# Altium PCB Front_Board.PcbDoc
Units mm, origin at the board's own origin, x right, y up, seen from the top; angles counter-clockwise.
Board outline 150 x 62 mm, 2 copper layers (Top Layer, Bottom Layer), stack 1.579 mm thick; 47 components, 98 nets, 260 pads, 18 vias.
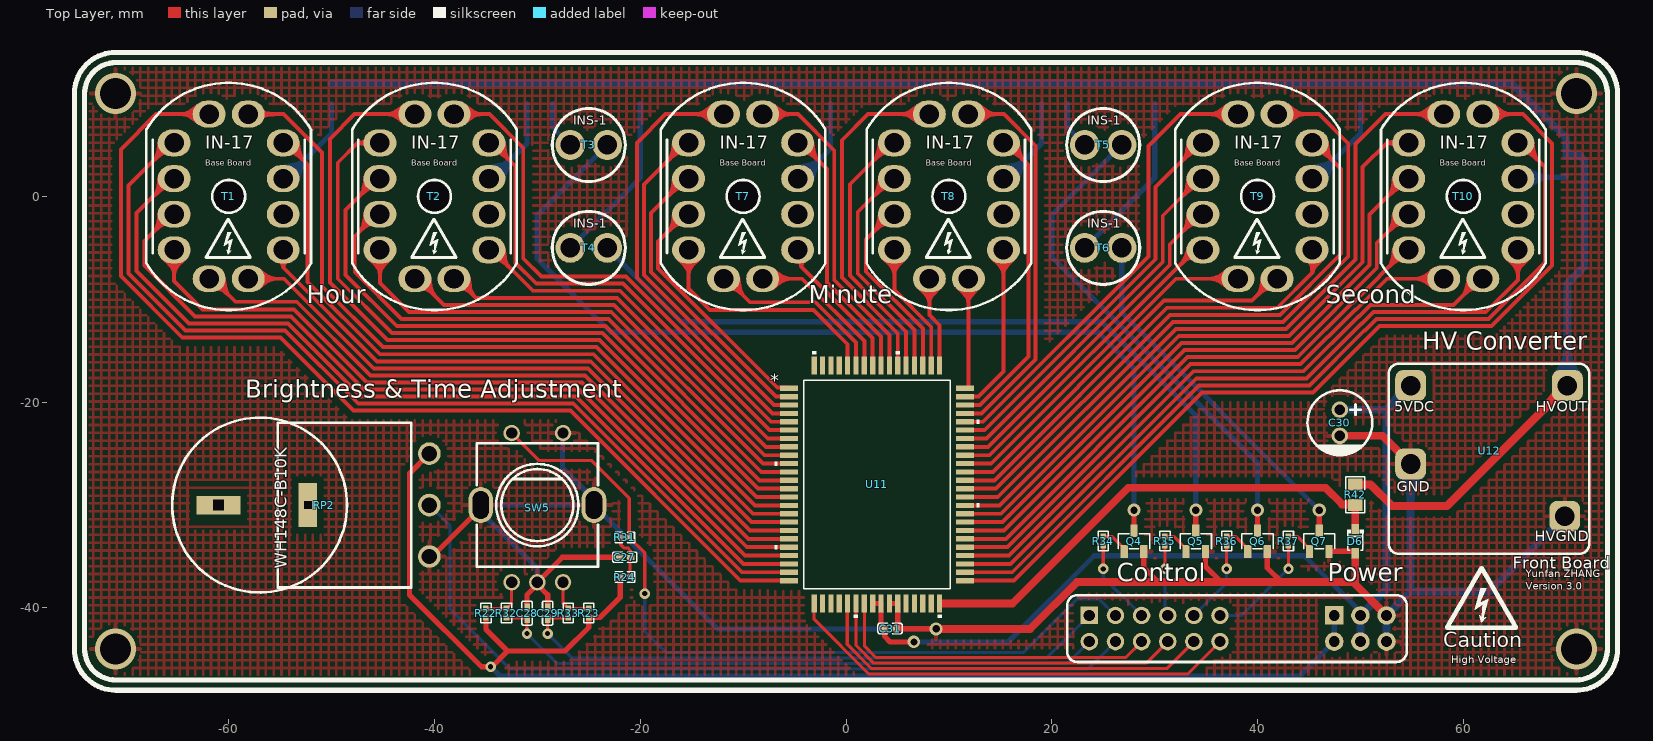
[diagram p0: Top Layer view]
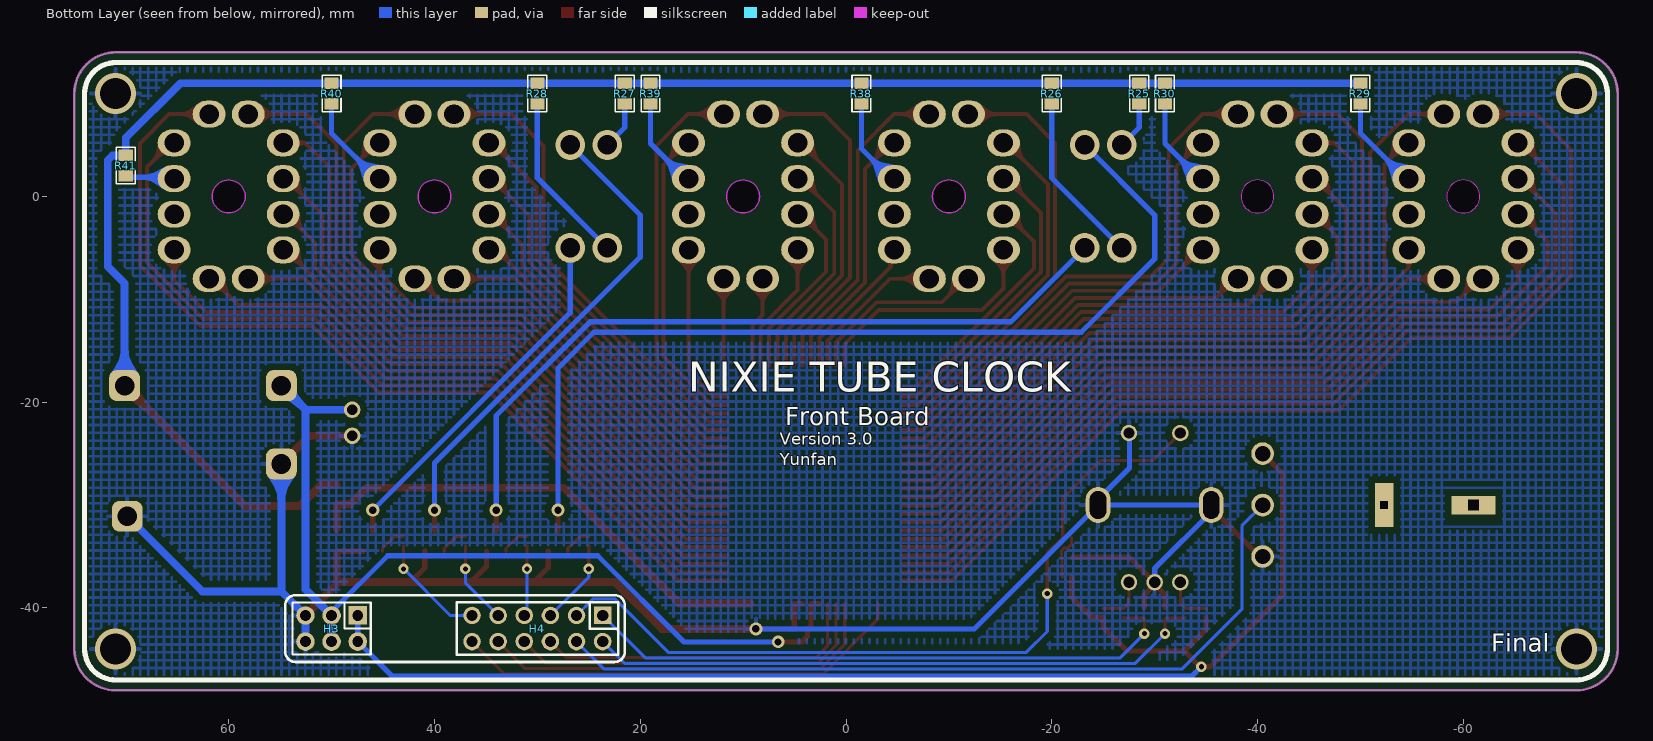
[diagram p1: Bottom Layer view, seen from below]

## Layer stack, top to bottom
Top Solder: solder mask 0.0102, Solder Resist, Dk 3.5
Top Layer: signal copper 0.0356
Dielectric 1: dielectric 1.5081, FR-4, Dk 4.8
Bottom Layer: signal copper 0.0356
Bottom Solder: solder mask 0.0102, Solder Resist, Dk 3.5

## Board outline
-75,-44 -75,10 cw(c-71,10) -71,14 71,14 cw(c71,10) 75,10 75,-44 cw(c71,-44) 71,-48 -71,-48 cw(c-71,-44)
cut-out: 58.4,0 ccw(c60,0) 60,-1.6 ccw(c60,0) 61.6,0 ccw(c60,0) 60,1.6 ccw(c60,0)
cut-out: 38.4,0 ccw(c40,0) 40,-1.6 ccw(c40,0) 41.6,0 ccw(c40,0) 40,1.6 ccw(c40,0)
cut-out: 8.4,0 ccw(c10,0) 10,-1.6 ccw(c10,0) 11.6,0 ccw(c10,0) 10,1.6 ccw(c10,0)
cut-out: -11.6,0 ccw(c-10,0) -10,-1.6 ccw(c-10,0) -8.4,0 ccw(c-10,0) -10,1.6 ccw(c-10,0)
cut-out: -40,-1.6 cw(c-40,0) -41.6,0 cw(c-40,0) -40,1.6 cw(c-40,0) -38.4,0 cw(c-40,0)
cut-out: -60,-1.6 cw(c-60,0) -61.6,0 cw(c-60,0) -60,1.6 cw(c-60,0) -58.4,0 cw(c-60,0)

## Design rules (kind name [scope] priority, off if disabled: settings)
Clearance Polygon [InPolygon] p1: gap=0.635 ignorepadtopadclearanceinfootprint=FALSE
Clearance [All] p2: gap=0.229 ignorepadtopadclearanceinfootprint=FALSE
Height [All] p1: minheight=0 maxheight=100 prefheight=12.7
PolygonConnect [All] p1: connectstyle=Relief reliefconductorwidth=0.381 reliefentries=4 polygonreliefangle="90 Angle" airgapwidth=0.381
RoutingVias [All] p1: holewidth=0.711 width=1.27 viastyle="Through Hole" minholewidth=0.711 minwidth=1.27 maxholewidth=0.711 maxwidth=1.27
SolderMaskExpansion [All] p1: expansion=0.102 istentingtop=FALSE
Width [All] p1: maxlimit=0.762 minlimit=0.254 preferedwidth=0.305 minimp=50.000000 maximp=50.000000 favimp=50.000000
29 further rules are at their usual default settings.

## Components (designator, comment, footprint, x,y, rotation, side; value= is the part's Value field where it differs from the comment)
C27 "100nF" C0402_NEW -21.5,-35.074 r0 top
C28 "100nF" C0402_NEW -31,-40.5 r270 top
C29 "100nF" C0402_NEW -29,-40.5 r270 top
C30 "220uF" CAP-TH_BD6.3-P2.50-D1.0-FD 48,-22 r270 top
C31 "100nF" C0402_NEW 4.281,-42 r180 top
D6 "MM3Z75" SOD-323_L1.8-W1.3-LS2.5-RD 49.5,-33.5 r270 top
H3 "Header-Male-2.54_2x3" HDR-TH_6P-P2.54-V-M-R2-C3-S2.54-1 50,-42 r0 bottom
H4 "210S-2*6P L=11.6MMGold-plated black" HDR-TH_12P-P2.54-V-M-R2-C6-S2.54 30,-42 r0 bottom
Q4 "MMBTA44_C699224" SOT-23-3_L2.9-W1.3-P1.90-LS2.4-BR 28,-33.5 r270 top
Q5 "MMBTA44_C699224" SOT-23-3_L2.9-W1.3-P1.90-LS2.4-BR 34,-33.5 r270 top
Q6 "MMBTA44_C699224" SOT-23-3_L2.9-W1.3-P1.90-LS2.4-BR 40,-33.5 r270 top
Q7 "MMBTA44_C699224" SOT-23-3_L2.9-W1.3-P1.90-LS2.4-BR 46,-33.5 r270 top
R22 "3.3K" R0402 -35,-40.5 r270 top
R23 "3.3K" R0402 -25,-40.5 r270 top
R24 "10K" R0402 -21.5,-37 r180 top
R25 "240K" R0805 -28.5,10 r90 bottom locked
R26 "240K" R0805 -20,10 r90 bottom locked
R27 "240K" R0805 21.5,10 r90 bottom locked
R28 "240K" R0805 30,10 r90 bottom locked
R29 "39K" R0805 -50,10 r270 bottom locked
R30 "39K" R0805 -31,10 r270 bottom locked
R31 "3.3K" R0402 -21.5,-33.147 r0 top
R32 "3.3K" R0402 -33,-40.5 r270 top
R33 "3.3K" R0402 -27,-40.5 r90 top
R34 "33K" R0402 25,-33.5 r90 top
R35 "33K" R0402 31,-33.5 r90 top
R36 "33K" R0402 37,-33.5 r90 top
R37 "33K" R0402 43,-33.5 r90 top
R38 "39K" R0805 -1.5,10 r270 bottom locked
R39 "39K" R0805 19,10 r270 bottom locked
R40 "39K" R0805 50,10 r270 bottom locked
R41 "39K" R0805 70,3 r270 bottom
R42 "240K" R0805 49.5,-29 r90 top
RP2 "10K" WH148-W-B10K -57,-30 r90 top
SW5 "EC11E09244C3" SW-TH_EC11E09244C3 -30,-30 r0 top
T1 "NixieTube_IN17" IN17 -60,0 r0 top locked
T2 "NixieTube_IN17" IN17 -40,0 r0 top locked
T3 "NixieTube_INS1" INS-1 -25,5 r0 top
T4 "NixieTube_INS1" INS-1 -25,-5 r0 top
T5 "NixieTube_INS1" INS-1 25,5 r0 top
T6 "NixieTube_INS1" INS-1 25,-5 r0 top
T7 "NixieTube_IN17" IN17 -10,0 r0 top locked
T8 "NixieTube_IN17" IN17 10,0 r0 top locked
T9 "NixieTube_IN17" IN17 40,0 r0 top locked
T10 "NixieTube_IN17" IN17 60,0 r0 top locked
U11 "HV57908PG-G" PQFP80_20X14MC_MCH 3,-28 r0 top
U12 "NCH8200HV" NCH8200HV 62.5,-25.5 r0 top

## Footprints (in the part's own frame and the unit in brackets; to place one, negate y for a bottom-side part, rotate by r counter-clockwise, add the part's x,y. Pads: shape width x height; smd on the part's side, far side on the other; paste and mask are expansions set on the pad)
C0402_NEW [mm]
  rect 0.79x0.54 smd: 1(-0.545,0) 2(0.545,0)
  silkscreen extent -1.17,-0.5 1.17,0.5, body extent -0.5,-0.25 0.5,0.25, height 0.5
CAP-TH_BD6.3-P2.50-D1.0-FD [mm]
  round 1.6 hole 1: 1(-1.27,0) 2(1.27,0)
  silkscreen extent -3.15,-3.15 3.17,3.15, body extent -3.16,-3.15 3.16,3.15, height 11.11
HDR-TH_6P-P2.54-V-M-R2-C3-S2.54-1 [mm]
  rect 1.8x1.8 hole 1.05: 1(-2.54,-1.27)
  round 1.8 hole 1.05: 2(-2.54,1.27) 3(0,-1.27) 4(0,1.27) 5(2.54,-1.27) 6(2.54,1.27)
  silkscreen extent -3.81,-2.54 3.81,2.54, body extent -3.81,-2.54 3.81,2.54, height 8.5
HDR-TH_12P-P2.54-V-M-R2-C6-S2.54 [mm]
  rect 1.7x1.7 hole 1.1: 1(-6.35,-1.27)
  round 1.7 hole 1.1: 2(-6.35,1.27) 3(-3.81,-1.27) 4(-3.81,1.27) 5(-1.27,-1.27) 6(-1.27,1.27) 7(1.27,-1.27) 8(1.27,1.27) 9(3.81,-1.27) 10(3.81,1.27) 11(6.35,-1.27) 12(6.35,1.27)
  silkscreen extent -7.85,-2.54 7.85,2.54, body extent -7.62,-2.54 7.62,2.54, height 8.5
IN17 [mm]
  oval 3.2x2.6 hole 1.9: 1(5.3,1.733) 2(5.3,5.2) 3(1.9,8) 4(-1.9,8) 5(-5.3,5.2) 6(-5.3,1.733) 7(-5.3,-1.733) 8(-5.3,-5.2) 9(-1.9,-8) 10(1.9,-8) 11(5.3,-5.2) 12(5.3,-1.733)
  Keep-Out Layer region: 0,-1.6 -0.612,-1.478 -1.131,-1.131 -1.478,-0.612 -1.6,0 -1.6,0 -1.478,0.612 -1.131,1.131 -0.612,1.478 0,1.6 0,1.6 0.612,1.478 1.131,1.131 1.478,0.612 1.6,0 1.6,0 1.478,-0.612 1.131,-1.131 0.612,-1.478 0,-1.6
  silkscreen extent -8,-11.05 8,11.05
INS-1 [mm]
  round 2.9 hole 1.9: 1(-1.8,0) 2(1.8,0)
  silkscreen extent -3.55,-3.55 3.55,3.55
NCH8200HV [mm]
  rrect50% 3x3 hole 1.9: 1(-7.62,7.112) 2(-7.62,-0.508) 3(7.62,7.112) 4(7.366,-5.588)
  silkscreen extent -9.75,-9.25 9.75,9.25
PQFP80_20X14MC_MCH [mil]
  rect 68.56x19.97 smd paste+0 mask+0: 1(-337,368) 2(-337,336) 3(-337,304) 4(-337,272) 5(-337,240) 6(-337,208) 7(-337,176) 8(-337,144) 9(-337,112) 10(-337,80) 11(-337,48) 12(-337,16) 13(-337,-16) 14(-337,-48) 15(-337,-80) 16(-337,-112) 17(-337,-144) 18(-337,-176) 19(-337,-208) 20(-337,-240) 21(-337,-272) 22(-337,-304) 23(-337,-336) 24(-337,-368) 41(337,-368) 42(337,-336) 43(337,-304) 44(337,-272) 45(337,-240) 46(337,-208) 47(337,-176) 48(337,-144) 49(337,-112) 50(337,-80) 51(337,-48) 52(337,-16) 53(337,16) 54(337,48) 55(337,80) 56(337,112) 57(337,144) 58(337,176) 59(337,208) 60(337,240) 61(337,272) 62(337,304) 63(337,336) 64(337,368)
  rect 19.97x68.56 smd paste+0 mask+0: 25(-240,-455) 26(-208,-455) 27(-176,-455) 28(-144,-455) 29(-112,-455) 30(-80,-455) 31(-48,-455) 32(-16,-455) 33(16,-455) 34(48,-455) 35(80,-455) 36(112,-455) 37(144,-455) 38(176,-455) 39(208,-455) 40(240,-455) 65(240,455) 66(208,455) 67(176,455) 68(144,455) 69(112,455) 70(80,455) 71(48,455) 72(16,455) 73(-16,455) 74(-48,455) 75(-80,455) 76(-112,455) 77(-144,455) 78(-176,455) 79(-208,455) 80(-240,455)
  silkscreen extent -391,-509 391,509, body extent -358,-476 358,476, height 134
R0402 [mm]
  rect 0.566x0.54 smd: 1(-0.433,0) 2(0.433,0)
  silkscreen extent -0.94,-0.5 0.94,0.5, body extent -0.5,-0.25 0.5,0.25, height 0.5
R0805 [mm]
  rect 1.133x1.377 smd: 1(-1,0) 2(1,0)
  silkscreen extent -1.76,-0.92 1.76,0.92, body extent -1,-0.65 1,0.65, height 0.61
SOD-323_L1.8-W1.3-LS2.5-RD [mm]
  rect 1x0.75 smd: 1(-1.173,0) 2(1.173,0)
  silkscreen extent -1.08,-0.8 0.9,0.8, body extent -1.23,-0.65 1.28,0.65, height 1.2
SOT-23-3_L2.9-W1.3-P1.90-LS2.4-BR [mm]
  rect 1.25x0.7 smd: 1(1,-0.95) 2(1,0.95) 3(-1,0)
  silkscreen extent -0.73,-1.53 0.73,1.53, body extent -1.25,-1.45 1.25,1.45, height 1.05
SW-TH_EC11E09244C3 [mm]
  oval 2.4x3.5 hole 1.6 slot 2.7 at 90 deg: 6(-5.5,-0.004) 7(5.5,-0.004)
  round 1.6 hole 1.1: A(-2.5,-7.504) B(2.5,-7.504) C(0,-7.504) D(-2.5,6.996) E(2.5,6.996)
  silkscreen extent -5.9,-6 5.9,6, body extent -6.42,-7.45 6.42,7.45, height 19.49
WH148-W-B10K [mm]
  round 2.2 hole 1.5: 1(5,-16.5) 2(0,-16.5) 3(-5,-16.5)
  rect 1.8x4.3 hole 1 square: ""(0,4)
  rect 4.3x1.8 hole 0.762 square: ""(0,-4.7)
  silkscreen extent -8.5,-14.75 8.5,8.5, body extent -8.48,-16.65 8.42,8.5, height 26.5

## Part data
C27 C28 C29 C31: BOM_JLCPCB Part Class="Basic Part", BOM_Manufacturer=SAMSUNG(三星), BOM_Manufacturer Part=CL05B104KO5NNNC, BOM_Supplier=LCSC, BOM_Supplier Part=C1525, nameAlias=Capacitance, spicePre=C, spiceSymbolName=CL05B104KO5NNNC
C30: BOM_JLCPCB Part Class="Extended Part", BOM_Manufacturer=CX(承兴), BOM_Manufacturer Part=EF227M010E05RR0VH4FP0, BOM_Supplier=LCSC, BOM_Supplier Part=C43330, nameAlias=Capacitance, spicePre=C, spiceSymbolName="220uF 10Vblack gold 6.3*5"
D6: BOM_JLCPCB Part Class="Extended Part", BOM_Manufacturer=ST(先科), BOM_Manufacturer Part=MM3Z75, BOM_Supplier=LCSC, BOM_Supplier Part=C118626, Contributor=LCSC, spicePre=D, spiceSymbolName=MM3Z75
H3: BOM_JLCPCB Part Class="Extended Part", BOM_Manufacturer=BOOMELE(博穆精密), BOM_Manufacturer Part=2.54-2*3P针, BOM_Supplier=LCSC, BOM_Supplier Part=C65114, spicePre=J, spiceSymbolName=Header-Male-2.54_2x3
H4: library part Header-Male-2.54_2x6, BOM_JLCPCB Part Class="Extended Part", BOM_Manufacturer=Ckmtw(灿科盟), BOM_Manufacturer Part=B-2100S12P-B110, BOM_Supplier=LCSC, BOM_Supplier Part=C124388, Contributor=LCSC, spicePre=H, spiceSymbolName="210S-2*6P L=11.6MMGold-plated black"
Q4 Q5 Q6 Q7: BOM_JLCPCB Part Class="Extended Part", BOM_Manufacturer=YANGJIE(扬杰), BOM_Manufacturer Part=MMBTA44, BOM_Supplier=LCSC, BOM_Supplier Part=C699224, Contributor=LCSC, spicePre=Q, spiceSymbolName=MMBTA44_C699224
R22 R23 R31 R32 R33: BOM_JLCPCB Part Class="Extended Part", BOM_Manufacturer=YAGEO(国巨), BOM_Manufacturer Part=RC0402FR-073K3L, Resistance=3.3kΩ, BOM_Supplier=LCSC, BOM_Supplier Part=C137992, nameAlias="Resistance (Ohms)", spicePre=R, spiceSymbolName=RC0402FR-073K3L
R24: BOM_JLCPCB Part Class="Extended Part", BOM_Manufacturer=YAGEO(国巨), BOM_Manufacturer Part=RC0402FR-0710KL, Resistance=10kΩ, BOM_Supplier=LCSC, BOM_Supplier Part=C60490, nameAlias="Resistance (Ohms)", spicePre=R, spiceSymbolName=RC0402FR-0710KL
R25 R26 R27 R28 R42: BOM_JLCPCB Part Class="Extended Part", BOM_Manufacturer=YAGEO(国巨), BOM_Manufacturer Part=RC0805FR-07240KL, Resistance=240kΩ, BOM_Supplier=LCSC, BOM_Supplier Part=C137564, nameAlias="Resistance (Ohms)", spicePre=R, spiceSymbolName=RC0805FR-07240KL
R29 R30 R38 R39 R40 R41: BOM_JLCPCB Part Class="Extended Part", BOM_Manufacturer=YAGEO(国巨), BOM_Manufacturer Part=RC0805FR-0720KL, Resistance=20kΩ, BOM_Supplier=LCSC, BOM_Supplier Part=C114566, nameAlias="Resistance (Ohms)", spicePre=R, spiceSymbolName=RC0805FR-0720KL
R34 R35 R36 R37: BOM_JLCPCB Part Class="Extended Part", BOM_Manufacturer=YAGEO(国巨), BOM_Manufacturer Part=RC0402FR-0733KL, Resistance=33kΩ, BOM_Supplier=LCSC, BOM_Supplier Part=C138003, nameAlias="Resistance (Ohms)", spicePre=R, spiceSymbolName=RC0402FR-0733KL
RP2: library part RP-WH148, BOM名称=插件电位器, 学习资源=www.ooocke.com, 版权归属=源创客
SW5: BOM_JLCPCB Part Class="Extended Part", BOM_Manufacturer=ALPSALPINE(阿尔卑斯阿尔派), BOM_Manufacturer Part=EC11E09244C3, BOM_Supplier=LCSC, BOM_Supplier Part=C2687283, Contributor=LCSC, spicePre=S, spiceSymbolName=EC11E09244C3
U11: Mfr_Name=Microchip, Copyright="Copyright (C) 2022 Ultra Librarian. All rights reserved.", Manufacturer_Part_Number=HV57908PG-G, RefDes=RefDes, Type=DEV

## Via types
v1: diameter 1, hole 0.5, Top Layer to Bottom Layer, 7 vias
v2: diameter 1.27, hole 0.711, Top Layer to Bottom Layer, 5 vias
v3: diameter 4, hole 3, Top Layer to Bottom Layer, 4 vias
v4: diameter 1.016, hole 0.508, Top Layer to Bottom Layer, 1 vias
v5: diameter 1.219, hole 0.66, Top Layer to Bottom Layer, 1 vias

## Nets (pads, with @x,y where several pads share a name; then routed paths per layer and width w, separated by ;. In a path a pad name is that pad's centre, name@x,y a point inside that pad or via, vN(x,y) a via of type N, cw(c..) or ccw(c..) an arc to the next point about the centre after c; other vN are vias at no path point)
+3.3VF: H3.1 H3.2 R22.2 R23.2 R24.2 RP2.1 | length 133.7
  Top Layer w0.508: RP2.1 -42.418,-26.918 -42.418,-38.735 -35.433,-45.72 -34.417,-45.72 -32.893,-44.196 ; R22.2@-35,-40.92 R22.2 -35,-42.089 -32.893,-44.196 ; R24.2 -21.933,-38.951 -23.915,-40.933 R23.2 -25,-41.891 -27.305,-44.196 -32.893,-44.196
  Bottom Layer w0.508: v4(-34.544,-45.72) -34.526,-45.72 -33.637,-46.609 44.121,-46.609 H3.2 H3.1
+5VF: C30.1 C31.2 H3.3 H3.4 U11.32 U11.33 U12.1 | length 88.5
  Top Layer w0.503: U11.32@2.591,-39.555 U11.32 U11.33 3.406,-41.796 3.611,-42 C31.2 ; C31.2@3.861,-42 C31.2 ; v5(6.604,-43.307) 4.285,-43.307 3.736,-42.758 C31.2
  Top Layer w0.762: H3.3 H3.3@50,-40.644
  Bottom Layer w0.503: v5(6.604,-43.307) 15.748,-43.307 24.13,-34.925 44.546,-34.925 50,-40.379 H3.3
  Bottom Layer w0.762: C30.1 52.538,-20.73 ; H3.4 H3.3 52.538,-38.192 52.538,-20.73 ; U12.1 52.538,-20.73
BLF: H4.6 U11.31 | length 32.2
  Top Layer w0.305: U11.31 1.781,-43.691 2.921,-44.831 27.169,-44.831 H4.6
BrightnessF: H4.4 RP2.2 | length 79.1
  Bottom Layer w0.305: RP2.2 -38.481,-32.019 -38.481,-40.133 -32.69,-45.924 23.536,-45.924 H4.4
CLKF: H4.8 U11.30 | length 36
  Top Layer w0.305: U11.30 0.968,-43.633 2.7,-45.365 29.175,-45.365 H4.8
D1F: H4.5 R34.1 | length 8.3
  Top Layer w0.305: v1(25,-36.2) R34.1
  Bottom Layer w0.305: v1(25,-36.2) 25,-37 H4.5
D2F: H4.7 R35.1 | length 7.1
  Top Layer w0.305: v1(31,-36.2) R35.1 ; H4.7@31.118,-40.578 H4.7
  Bottom Layer w0.305: v1(31,-36.2) 31,-39.854 31.003,-39.857 31.003,-40.463 H4.7
D3F: H4.9 R36.1 | length 8.1
  Top Layer w0.305: v1(37,-36.2) R36.1
  Bottom Layer w0.305: H4.9 37,-37.54 v1(37,-36.2)
D4F: H4.11 R37.1 | length 10.8
  Top Layer w0.305: v1(43,-36.2) R37.1
  Bottom Layer w0.305: H4.11 38.47,-40.73 v1(43,-36.2)
DINF: H4.12 U11.25 | length 44.5
  Top Layer w0.305: U11.25 -3.096,-41.1 2.236,-46.432 33.188,-46.432 H4.12
EncoderAF: C28.2 H4.2 R32.2 | length 60.2
  Top Layer w0.305: R32.2 -32.944,-40.989 -31.056,-40.989 C28.2 v1(-31,-42.5)
  Bottom Layer w0.305: v1(-31,-42.5) -28.11,-45.39 21.53,-45.39 H4.2
EncoderBF: C29.2 H4.1 R33.1 | length 58.8
  Top Layer w0.305: v1(-29,-42.5) C29.2 -28.944,-40.989 -27.056,-40.989 R33.1
  Bottom Layer w0.305: v1(-29,-42.5) -26.643,-44.857 19.523,-44.857 H4.1
GNDF: C27.1 C28.1 C29.1 C30.2 C31.1 D6.2 H3.5 H3.6 Q4.2 Q5.2 Q6.2 Q7.2 RP2.3 SW5.6 SW5.7 SW5.C SW5.E U11.34 U11.35 U12.2 U12.4 | length 204.2
  Top Layer w0.508: RP2.3 -40.223,-35 -35.5,-30.277 SW5.6 ; C28.1 -31,-38.713 SW5.C@-30,-37.713 ; C29.1 -29,-38.713 SW5.C@-30,-37.713 ; C27.1 -27.57,-35.074 SW5.C SW5.C@-30,-37.713 ; U11.34 U11.35 5.032,-41.919 4.967,-41.984 4.842,-41.984 C31.1 4.842,-42.016 8.742,-42.016 v2(8.763,-42.037) ; Q4.2 28.95,-36.089 30.353,-37.492 ; Q5.2 34.95,-35.966 36.476,-37.492 ; Q6.2 40.95,-36.124 42.318,-37.492 42.418,-37.492 ; Q7.2 49.379,-34.5 49.5,-34.621 D6.2
  Top Layer w0.762: v2(8.763,-42.037) 17.907,-42.037 22.452,-37.492 30.353,-37.492 36.476,-37.492 42.318,-37.492 ; 42.418,-37.492 49.5,-37.492 D6.2 ; C30.2 52.142,-23.27 U12.2 ; 49.401,-37.591 H3.5
  Bottom Layer w0.508: RP2.3 RP2.3@-40.223,-35 ; SW5.C -30,-36.167 -35.5,-30.667 SW5.6 SW5.7 ; SW5.E -27.559,-23.063 -27.559,-26.395 -24.5,-29.454 SW5.7 ; v2(8.763,-42.037) -12.467,-42.037 -23.588,-30.916 -23.626,-30.916 -24.5,-30.042 SW5.7
  Bottom Layer w0.762: H3.6 H3.5 54.88,-38.39 ; U12.2 54.88,-38.39 ; U12.4 62.564,-38.39 54.88,-38.39
  other v3: -71,-44 71,-44 -71,10 71,10
H1N0: T1.2 U11.16 | length 70.8
  Top Layer w0.381: T1.2 -54.4,5.2 -52.324,3.124 -52.324,-8.301 -45.284,-15.342 -24.524,-15.342 -9.021,-30.845 U11.16
H1N1: T1.3 U11.15 | length 75.9
  Top Layer w0.381: T1.3 -54.661,8 -50.927,4.266 -50.927,-8.728 -44.999,-14.656 -24.24,-14.656 -8.864,-30.032 U11.15
H1N2: T1.4 U11.24 | length 99.5
  Top Layer w0.381: T1.4 -67.057,8 -70.485,4.572 -70.485,-7.747 -64.516,-13.716 -54.966,-13.716 -47.854,-20.828 -26.797,-20.828 -10.278,-37.347 U11.24
H1N3: T1.5 U11.23 | length 90.9
  Top Layer w0.381: T1.5 -65.6,5.2 -69.723,1.077 -69.723,-7.493 -64.186,-13.03 -54.522,-13.03 -47.41,-20.142 -26.513,-20.142 -10.121,-36.534 U11.23
H1N4: T1.6 U11.22 | length 85.9
  Top Layer w0.381: T1.6 -65.6,1.733 -68.961,-1.628 -68.961,-7.239 -63.856,-12.344 -54.238,-12.344 -47.126,-19.456 -26.229,-19.456 -9.964,-35.722 U11.22
H1N5: T1.7 U11.21 | length 80.7
  Top Layer w0.381: T1.7 -65.6,-1.733 -68.199,-4.332 -68.199,-6.731 -63.271,-11.659 -53.954,-11.659 -46.842,-18.771 -25.945,-18.771 -9.807,-34.909 U11.21
H1N6: T1.8 U11.20 | length 73.5
  Top Layer w0.381: T1.8 -65.3,-8.233 -62.56,-10.973 -53.67,-10.973 -46.558,-18.085 -25.661,-18.085 -9.65,-34.096 U11.20
H1N7: T1.9 U11.19 | length 66.8
  Top Layer w0.381: T1.9 -61.6,-8 -59.359,-10.241 -53.386,-10.241 -46.228,-17.399 -25.377,-17.399 -9.492,-33.283 U11.19
H1N8: T1.10 U11.18 | length 62.7
  Top Layer w0.381: T1.10 -54.611,-8 -45.898,-16.713 -25.093,-16.713 -9.335,-32.47 U11.18
H1N9: T1.11 U11.17 | length 61.1
  Top Layer w0.381: T1.11 -54.7,-6.895 -45.568,-16.027 -24.809,-16.027 -9.178,-31.658 U11.17
H2N0: T2.2 U11.6 | length 46.2
  Top Layer w0.381: T2.2 -34.4,5.2 -32.131,2.931 -32.131,-6.462 -30.109,-8.484 -21.684,-8.484 -7.451,-22.717 U11.6
H2N1: T2.3 U11.5 | length 51.2
  Top Layer w0.381: T2.3 -34.661,8 -31.369,4.708 -31.369,-6.02 -29.591,-7.798 -21.4,-7.798 -7.294,-21.904 U11.5
H2N2: T2.4 U11.14 | length 76.5
  Top Layer w0.381: T2.4 -47.753,8 -50.165,5.588 -50.165,-8.382 -44.577,-13.97 -23.956,-13.97 -8.707,-29.219 U11.14
H2N3: T2.5 U11.13 | length 68.5
  Top Layer w0.381: T2.5 -47.472,5.2 -49.403,3.268 -49.403,-8.001 -44.12,-13.284 -23.672,-13.284 -8.55,-28.406 U11.13
H2N4: T2.6 U11.12 | length 62.3
  Top Layer w0.381: T2.6 -45.6,1.733 -48.641,-1.308 -48.641,-7.62 -43.663,-12.598 -23.388,-12.598 -8.393,-27.594 U11.12
H2N5: T2.7 U11.11 | length 57.1
  Top Layer w0.381: T2.7 -45.6,-1.733 -47.752,-3.885 -47.752,-7.366 -43.205,-11.913 -23.104,-11.913 -8.236,-26.781 U11.11
H2N6: T2.8 U11.10 | length 50.2
  Top Layer w0.381: T2.8 -45.3,-8.421 -42.494,-11.227 -22.82,-11.227 -8.079,-25.968 U11.10
H2N7: T2.9 U11.9 | length 43.4
  Top Layer w0.381: T2.9 -41.6,-8 -39.059,-10.541 -22.536,-10.541 -7.922,-25.155 U11.9
H2N8: T2.10 U11.8 | length 39.3
  Top Layer w0.381: T2.10 -37.8,-8 -35.945,-9.855 -22.252,-9.855 -7.765,-24.342 U11.8
H2N9: T2.11 U11.7 | length 36.7
  Top Layer w0.381: T2.11 -34.4,-5.2 -30.431,-9.169 -21.968,-9.169 -7.608,-23.53 U11.7
HV: R25.2 R26.2 R27.2 R28.2 R29.1 R30.1 R38.1 R39.1 R40.1 R41.1 R42.2 U12.3 | length 174.8
  Top Layer w0.762: R42.2 50.987,-28 53.086,-30.099 58.409,-30.099 U12.3
  Bottom Layer w0.508: U12.3@70.62,-19.38 U12.3@70.62,-19.311
  Bottom Layer w0.762: R29.1 R30.1 R25.2 R26.2 R38.1 R39.1 R27.2 R28.2 R40.1 64.692,11 70,5.692 R41.1 70.039,3.961 71.309,3.961 71.755,3.515 71.755,-6.805 70.12,-8.44 U12.3
LEF: H4.10 U11.29 | length 39.7
  Top Layer w0.305: U11.29 0.127,-39.585 0.127,-43.546 2.479,-45.898 31.182,-45.898 H4.10
M1N0: T7.2 U11.72 | length 25.2
  Top Layer w0.381: T7.2 -4.4,5.2 -1.854,2.654 -1.854,-8.363 3.406,-13.624 U11.72
M1N1: T7.3 U11.71 | length 31.6
  Top Layer w0.381: T7.3 -4.661,8 -1.143,4.482 -1.143,-8.105 4.219,-13.467 U11.71
M1N2: T7.4 U11.4 | length 42.9
  Top Layer w0.381: T7.4 -17.527,8 -20.32,5.207 -20.32,-7.908 -7.136,-21.091 U11.4
M1N3: T7.5 U11.3 | length 34.1
  Top Layer w0.381: T7.5 -15.6,5.2 -19.634,1.166 -19.634,-7.624 -6.979,-20.278 U11.3
M1N4: T7.6 U11.2 | length 29.2
  Top Layer w0.381: T7.6 -15.6,1.733 -18.948,-1.615 -18.948,-7.34 -6.822,-19.466 U11.2
M1N5: T7.7 U11.1 | length 24.2
  Top Layer w0.381: T7.7 -15.6,-1.733 -18.263,-4.396 -18.263,-7.01 -6.683,-18.59 -5.623,-18.59 U11.1
M1N6: T7.8 U11.76 | length 23.5
  Top Layer w0.381: T7.8 -15.3,-8.957 -13.208,-11.049 -3.164,-11.049 0.155,-14.368 U11.76
M1N7: T7.9 U11.75 | length 17.7
  Top Layer w0.381: T7.9 -11.6,-8 -9.313,-10.287 -2.956,-10.287 0.968,-14.211 U11.75
M1N8: T7.10 U11.74 | length 14.8
  Top Layer w0.381: T7.10 -4.273,-8 1.781,-14.054 U11.74
M1N9: T7.11 U11.73 | length 14.3
  Top Layer w0.381: T7.11 -4.339,-5.561 -4.339,-6.848 2.594,-13.781 U11.73
M2N0: T8.2 U11.62 | length 30.1
  Top Layer w0.381: U11.62 13.018,-20.278 17.729,-15.568 17.729,3.071 15.6,5.2 T8.2
M2N1: T8.3 U11.61 | length 37.6
  Top Layer w0.381: U11.61 13.175,-21.091 18.415,-15.852 18.415,4.924 15.339,8 T8.3
M2N2: T8.4 U11.70 | length 33.7
  Top Layer w0.381: U11.70 5.032,-13.31 -0.381,-7.897 -0.381,5.461 2.158,8 T8.4
M2N3: T8.5 U11.69 | length 25.9
  Top Layer w0.381: T8.5 4.4,5.2 0.381,1.181 0.381,-7.689 2.442,-9.75 5.845,-13.153 U11.69
M2N4: T8.6 U11.68 | length 22.1
  Top Layer w0.381: T8.6 4.4,1.733 1.143,-1.524 1.143,-7.481 6.658,-12.996 U11.68
M2N5: T8.7 U11.67 | length 18.3
  Top Layer w0.381: T8.7 4.4,-1.733 1.951,-4.182 1.951,-7.32 7.47,-12.839 U11.67
M2N6: T8.8 U11.66 | length 12.7
  Top Layer w0.381: T8.8 4.7,-9.098 8.283,-12.682 U11.66
M2N7: T8.9 U11.65 | length 8.9
  Top Layer w0.381: T8.9 8.1,-11.528 9.096,-12.524 U11.65
M2N8: T8.10 U11.64 | length 11
  Top Layer w0.381: U11.64 11.837,-18.653 11.9,-18.59 T8.10
M2N9: T8.11 U11.63 | length 16.6
  Top Layer w0.381: U11.63 12.861,-19.466 15.3,-17.027 T8.11
NetC27_2: C27.2 R24.1 R31.1 | length 4.5
  Top Layer w0.305: R31.1 -21.933,-33.82 -21.59,-34.163 -21.209,-34.163 -20.955,-34.417 C27.2 -21.011,-35.13 -21.011,-36.944 R24.1
NetD6_1: D6.1 R42.1 U11.40 | length 47.9
  Top Layer w0.762: U11.40@9.271,-39.557 16.196,-39.557 27.432,-28.321 46.609,-28.321 48.22,-29.932 49.432,-29.932 R42.1 D6.1
NetQ4_1: Q4.1 R34.2 | length 2.8
  Top Layer w0.305: R34.2 25.892,-33.067 27.05,-34.225 Q4.1
NetQ4_3: Q4.3 T3.2 | length 92.1
  Top Layer w0.508: Q4.3 v2(28,-30.5)
  Bottom Layer w0.508: T3.2 -30,-1.8 -30,-6.068 -22.86,-13.208 24.511,-13.208 28,-16.697 v2(28,-30.5)
NetQ5_1: Q5.1 R35.2 | length 2.8
  Top Layer w0.305: R35.2 31.892,-33.067 33.05,-34.225 Q5.1
NetQ5_3: Q5.3 T4.2 | length 75.2
  Top Layer w0.508: Q5.3 v2(34,-30.5)
  Bottom Layer w0.508: T4.2 -16.008,-12.192 24.892,-12.192 34,-21.3 v2(34,-30.5)
NetQ6_1: Q6.1 R36.2 | length 2.8
  Top Layer w0.305: R36.2 37.892,-33.067 39.05,-34.225 Q6.1
NetQ6_3: Q6.3 T5.2 | length 48.6
  Top Layer w0.508: Q6.3 v2(40,-30.5)
  Bottom Layer w0.508: T5.2 20,-1.8 20,-5.903 40.005,-25.908 40.005,-30.495 v2(40,-30.5)
NetQ7_1: Q7.1 R37.2 | length 2.8
  Top Layer w0.305: R37.2 43.892,-33.067 45.05,-34.225 Q7.1
NetQ7_3: Q7.3 T6.2 | length 35.5
  Top Layer w0.508: Q7.3 v2(46,-30.5)
  Bottom Layer w0.508: T6.2 26.8,-11.3 v2(46,-30.5)
NetR22_1: R22.1 R32.1 SW5.A | length 4.8
  Top Layer w0.305: R22.1 R32.1 -33,-40.054 -32.512,-39.566 -32.512,-37.516 SW5.A
NetR23_1: R23.1 R33.2 SW5.B | length 4.8
  Top Layer w0.305: SW5.B -27.5,-39.554 -27,-40.054 R33.2 R23.1
NetR25_1: R25.1 T3.1 | length 4.7
  Bottom Layer w0.508: R25.1 -28.5,6.7 T3.1
NetR26_1: R26.1 T4.1 | length 16.8
  Bottom Layer w0.508: T4.1 -20,1.8 R26.1
NetR27_1: R27.1 T5.1 | length 4.7
  Bottom Layer w0.508: R27.1 21.5,6.7 T5.1
NetR28_1: R28.1 T6.1 | length 16.8
  Bottom Layer w0.508: T6.1 30,1.8 R28.1
NetR29_2: R29.2 T1.1 | length 9.4
  Bottom Layer w0.508: T1.1 -54.4,1.733 -50,6.133 R29.2
NetR30_2: R30.2 T2.1 | length 9
  Bottom Layer w0.508: T2.1 -34.4,1.733 -31,5.133 R30.2
NetR38_2: R38.2 T7.1 | length 8.8
  Bottom Layer w0.508: T7.1 -4.4,1.733 -1.5,4.633 R38.2
NetR39_2: R39.2 T8.1 | length 9
  Bottom Layer w0.508: T8.1 15.6,1.733 19,5.133 R39.2
NetR40_2: R40.2 T9.1 | length 9.4
  Bottom Layer w0.508: T9.1 45.6,1.733 50,6.133 R40.2
NetR41_2: R41.2 T10.1 | length 4.8
  Bottom Layer w0.508: T10.1 65.433,1.867 69.867,1.867 R41.2
S1N0: T9.2 U11.52 | length 58.2
  Top Layer w0.381: U11.52 14.589,-28.406 31.489,-11.506 42.203,-11.506 48.133,-5.576 48.133,2.667 45.6,5.2 T9.2
S1N1: T9.3 U11.51 | length 66
  Top Layer w0.381: U11.51 14.746,-29.219 31.773,-12.192 42.487,-12.192 48.819,-5.86 48.819,5.156 45.975,8 T9.3
S1N2: T9.4 U11.60 | length 45.2
  Top Layer w0.381: U11.60 13.333,-21.904 29.413,-5.823 29.413,4.902 32.511,8 T9.4
S1N3: T9.5 U11.59 | length 38.8
  Top Layer w0.381: U11.59 13.49,-22.717 30.099,-6.107 30.099,0.899 34.4,5.2 T9.5
S1N4: T9.6 U11.58 | length 36.2
  Top Layer w0.381: U11.58 13.647,-23.53 30.785,-6.391 30.785,-1.882 34.4,1.733 T9.6
S1N5: T9.7 U11.57 | length 33.7
  Top Layer w0.381: U11.57 13.804,-24.342 31.471,-6.676 31.471,-4.663 34.4,-1.733 T9.7
S1N6: T9.8 U11.56 | length 31.4
  Top Layer w0.381: U11.56 13.961,-25.155 33.916,-5.2 T9.8
S1N7: T9.9 U11.55 | length 34
  Top Layer w0.381: U11.55 14.118,-25.968 32.086,-8 T9.9
S1N8: T9.10 U11.54 | length 38.1
  Top Layer w0.381: U11.54 14.275,-26.781 30.921,-10.135 39.465,-10.135 41.6,-8 T9.10
S1N9: T9.11 U11.53 | length 44.4
  Top Layer w0.381: U11.53 14.432,-27.594 31.205,-10.82 41.919,-10.82 45.339,-7.4 45.339,-5.239 T9.11
S2N0: T10.2 U11.42 | length 81.8
  Top Layer w0.381: U11.42 16.16,-36.534 34.33,-18.364 45.043,-18.364 50.373,-13.035 50.445,-13.035 51.567,-11.913 62.463,-11.913 67.945,-6.431 67.945,2.855 65.6,5.2 T10.2
S2N1: T10.3 U11.41 | length 89.5
  Top Layer w0.381: U11.41 16.317,-37.347 34.614,-19.05 45.399,-19.05 51.851,-12.598 62.747,-12.598 68.631,-6.715 68.631,5.156 65.787,8 T10.3
S2N2: T10.4 U11.50 | length 68.9
  Top Layer w0.381: U11.50 14.903,-30.032 32.057,-12.878 42.771,-12.878 49.53,-6.119 49.53,5.08 52.45,8 T10.4
S2N3: T10.5 U11.49 | length 63.5
  Top Layer w0.381: U11.49 15.06,-30.845 32.341,-13.564 43.055,-13.564 50.216,-6.403 50.216,2.845 52.571,5.2 T10.5
S2N4: T10.6 U11.48 | length 59.9
  Top Layer w0.381: U11.48 15.217,-31.658 32.626,-14.249 43.339,-14.249 50.902,-6.687 50.902,-1.765 54.4,1.733 T10.6
S2N5: T10.7 U11.47 | length 57.3
  Top Layer w0.381: U11.47 15.374,-32.47 32.91,-14.935 43.623,-14.935 51.587,-6.971 51.587,-4.546 54.4,-1.733 T10.7
S2N6: T10.8 U11.46 | length 54.8
  Top Layer w0.381: U11.46 15.531,-33.283 33.194,-15.621 43.907,-15.621 49.236,-10.292 49.308,-10.292 54.4,-5.2 T10.8
S2N7: T10.9 U11.45 | length 57.3
  Top Layer w0.381: U11.45 15.689,-34.096 33.478,-16.307 44.191,-16.307 49.521,-10.977 49.593,-10.977 52.57,-8 T10.9
S2N8: T10.10 U11.44 | length 61.5
  Top Layer w0.381: U11.44 15.846,-34.909 33.762,-16.993 44.475,-16.993 49.805,-11.663 49.877,-11.663 50.999,-10.541 59.059,-10.541 61.6,-8 T10.10
S2N9: T10.11 U11.43 | length 68.1
  Top Layer w0.381: U11.43 16.003,-35.722 34.046,-17.678 44.759,-17.678 50.089,-12.349 50.161,-12.349 51.283,-11.227 62.179,-11.227 65.3,-8.106 T10.11
SWF: H4.3 R31.2 SW5.D | length 77.3
  Top Layer w0.305: SW5.D -29.85,-25.654 -24.765,-25.654 -21.067,-29.352 R31.2 -21.054,-33.147 -19.558,-34.643 v1(-19.558,-38.608)
  Bottom Layer w0.305: v1(-19.558,-38.608) -19.558,-42.291 -17.526,-44.323 17.272,-44.323 22.479,-39.116 24.576,-39.116 H4.3
  Bottom Layer w0.508: SW5.D@-32.5,-23.245 SW5.D
pads on no net: RP2. T1.12 T2.12 T7.12 T8.12 T9.12 T10.12 U11.26 U11.27 U11.28 U11.36 U11.37 U11.38 U11.39 U11.77 U11.78 U11.79 U11.80

## Polygon pours and split planes (outlines as drawn)
GNDF on Bottom Layer "GND_Bottom" (hatched 90Degree grid 0.762 track 0.254, remove dead copper, pour order 1): -73.5,-44 -73.5,10 cw(c-71,10) -71,12.5 71,12.5 cw(c71,10) 73.5,10 73.5,-44 cw(c71,-44) 71,-46.5 -71,-46.5 cw(c-71,-44)
GNDF on Top Layer "GND_Top" (hatched 90Degree grid 0.762 track 0.254, remove dead copper, pour order 0): -73.5,-44 -73.5,10 cw(c-71,10) -71,12.5 71,12.5 cw(c71,10) 73.5,10 73.5,-44 cw(c71,-44) 71,-46.5 -71,-46.5 cw(c-71,-44)

## Keep-outs
Keep-Out Layer:
  the board outline again, w0.254

## Silkscreen, mask and mechanical layers (free items; w line width, h text height)
Top Overlay:
  drawing of 32 lines, arcs and shapes, not listed
  text "Hour" at -52.429,-10.972 h3
  text "Minute" at -3.606,-10.972 h3
  text "Second" at 46.624,-10.972 h3
  text "HV Converter" at 56.007,-15.466 h3
  text "Brightness & Time Adjustment" at -58.384,-20.135 h3
  text "Front Board" at 64.8,-36.557 h2
  text "Control" at 26.327,-37.972 h3
  text "Power" at 46.817,-37.972 h3
  text "Yunfan ZHANG / Version 3.0" at 66.088,-38.481 h1.2
  text "Caution" at 58.073,-44.302 h2.5
  text "High Voltage" at 58.84,-45.622 h1.2
Bottom Overlay:
  lines w0.254: 21.5,-44.25 ccw(c22.5,-44.25) 22.5,-45.25 53.5,-45.25 ccw(c53.5,-44.25) 54.5,-44.25 54.5,-39.75 ccw(c53.5,-39.75) 53.5,-38.75 22.5,-38.75 ccw(c22.5,-39.75) 21.5,-39.75 21.5,-44.25
  lines w0.5: -74,-44 ccw(c-71,-44) -71,-47 71,-47 ccw(c71,-44) 74,-44 74,10 ccw(c71,10) 71,13 -71,13 ccw(c-71,10) -74,10 -74,-44
  text "NIXIE TUBE CLOCK" at 15.353,-19.954 h5
  text "Front Board" at 5.916,-22.819 h3
  text "Version 3.0 / Yunfan" at 6.432,-26.53 h2
  text "Final" at -62.728,-44.822 h3
Mechanical 1:
  circle w0.254: c71,10 r1.5
  circle w0.254: c71,-44 r1.5
  circle w0.254: c-71,-44 r1.5
  circle w0.254: c-71,10 r1.5
  pour cut-out: 69.5,10 ccw(c71,10) 71,8.5 ccw(c71,10) 72.5,10 ccw(c71,10) 71,11.5 ccw(c71,10)
  pour cut-out: 69.5,-44 ccw(c71,-44) 71,-45.5 ccw(c71,-44) 72.5,-44 ccw(c71,-44) 71,-42.5 ccw(c71,-44)
  pour cut-out: -71,-45.5 cw(c-71,-44) -72.5,-44 cw(c-71,-44) -71,-42.5 cw(c-71,-44) -69.5,-44 cw(c-71,-44)
  pour cut-out: -71,8.5 cw(c-71,10) -72.5,10 cw(c-71,10) -71,11.5 cw(c-71,10) -69.5,10 cw(c-71,10)
  lines w0.254: -75,-44 ccw(c-71,-44) -71,-48 71,-48 ccw(c71,-44) 75,-44 75,10 ccw(c71,10) 71,14 -71,14 ccw(c-71,10) -75,10 -75,-44
Mechanical 5:
  circle w0.254: c71,10 r3.2
  circle w0.254: c71,-44 r3.2
  circle w0.254: c-71,-44 r3.2
  circle w0.254: c-71,10 r3.2
  circle w0.254: c-30,-30 r6.5
  circle w0.254: c-57,-30 r8.5
  lines w0.254: -59.944,-11.049 60.071,-11.049 ; -30,-30 -23.5,-30

## Dimensions
0,0 to -71,14 on Mechanical 5
-75,-44 to 75,-44 on Mechanical 5
-71,14 to -71,-48 on Mechanical 5
-57,-30 to -75,-44 on Mechanical 5
-57,-30 to -71,-48 on Mechanical 5
-30,-30 to -57,-30 on Mechanical 5
-57,-30 to -59.944,-11.049 on Mechanical 5

## Text inside footprints (layer, text, board x,y; h text height)
RP2: Top Overlay "WH148C-B10K" at -53.976,-36.214 h2 r90
T1: Top Overlay "IN-17" at -62.27,4.191 h2.2; Top Overlay "Base Board" at -62.271,2.804 h1
T2: Top Overlay "Base Board" at -42.271,2.804 h1; Top Overlay "IN-17" at -42.27,4.191 h2.2
T3: Top Overlay "INS-1" at -26.528,6.668 h1.5
T4: Top Overlay "INS-1" at -26.528,-3.332 h1.5
T5: Top Overlay "INS-1" at 23.472,6.668 h1.5
T6: Top Overlay "INS-1" at 23.472,-3.332 h1.5
T7: Top Overlay "IN-17" at -12.27,4.191 h2.2; Top Overlay "Base Board" at -12.271,2.804 h1
T8: Top Overlay "Base Board" at 7.729,2.804 h1; Top Overlay "IN-17" at 7.73,4.191 h2.2
T9: Top Overlay "IN-17" at 37.73,4.191 h2.2; Top Overlay "Base Board" at 37.729,2.804 h1
T10: Top Overlay "Base Board" at 57.729,2.804 h1; Top Overlay "IN-17" at 57.73,4.191 h2.2
U11: Top Overlay "*" at -7.383,-18.5 h1.27; Mechanical 13 "*" at -3.934,-18.881 h1.27
U12: Top Overlay "HVGND" at 66.958,-33.866 h1.78; Top Overlay "GND" at 53.53,-29.04 h1.78; Top Overlay "HVOUT" at 67.061,-21.293 h1.78; Top Overlay "5VDC" at 53.286,-21.293 h1.78